# Altium PCB Monitor_Board.PcbDoc (part 2 of 5)
Units mm, origin at the board's own origin, x right, y up, seen from the top; angles counter-clockwise.
Board outline 99.59 x 64.16 mm, 4 copper layers (Top Layer, GND02, PWR03, Bottom Layer), stack 0.603 mm thick; 84 components, 146 nets, 502 pads, 244 vias.
Unrouted connection lines stored in the file: 39.
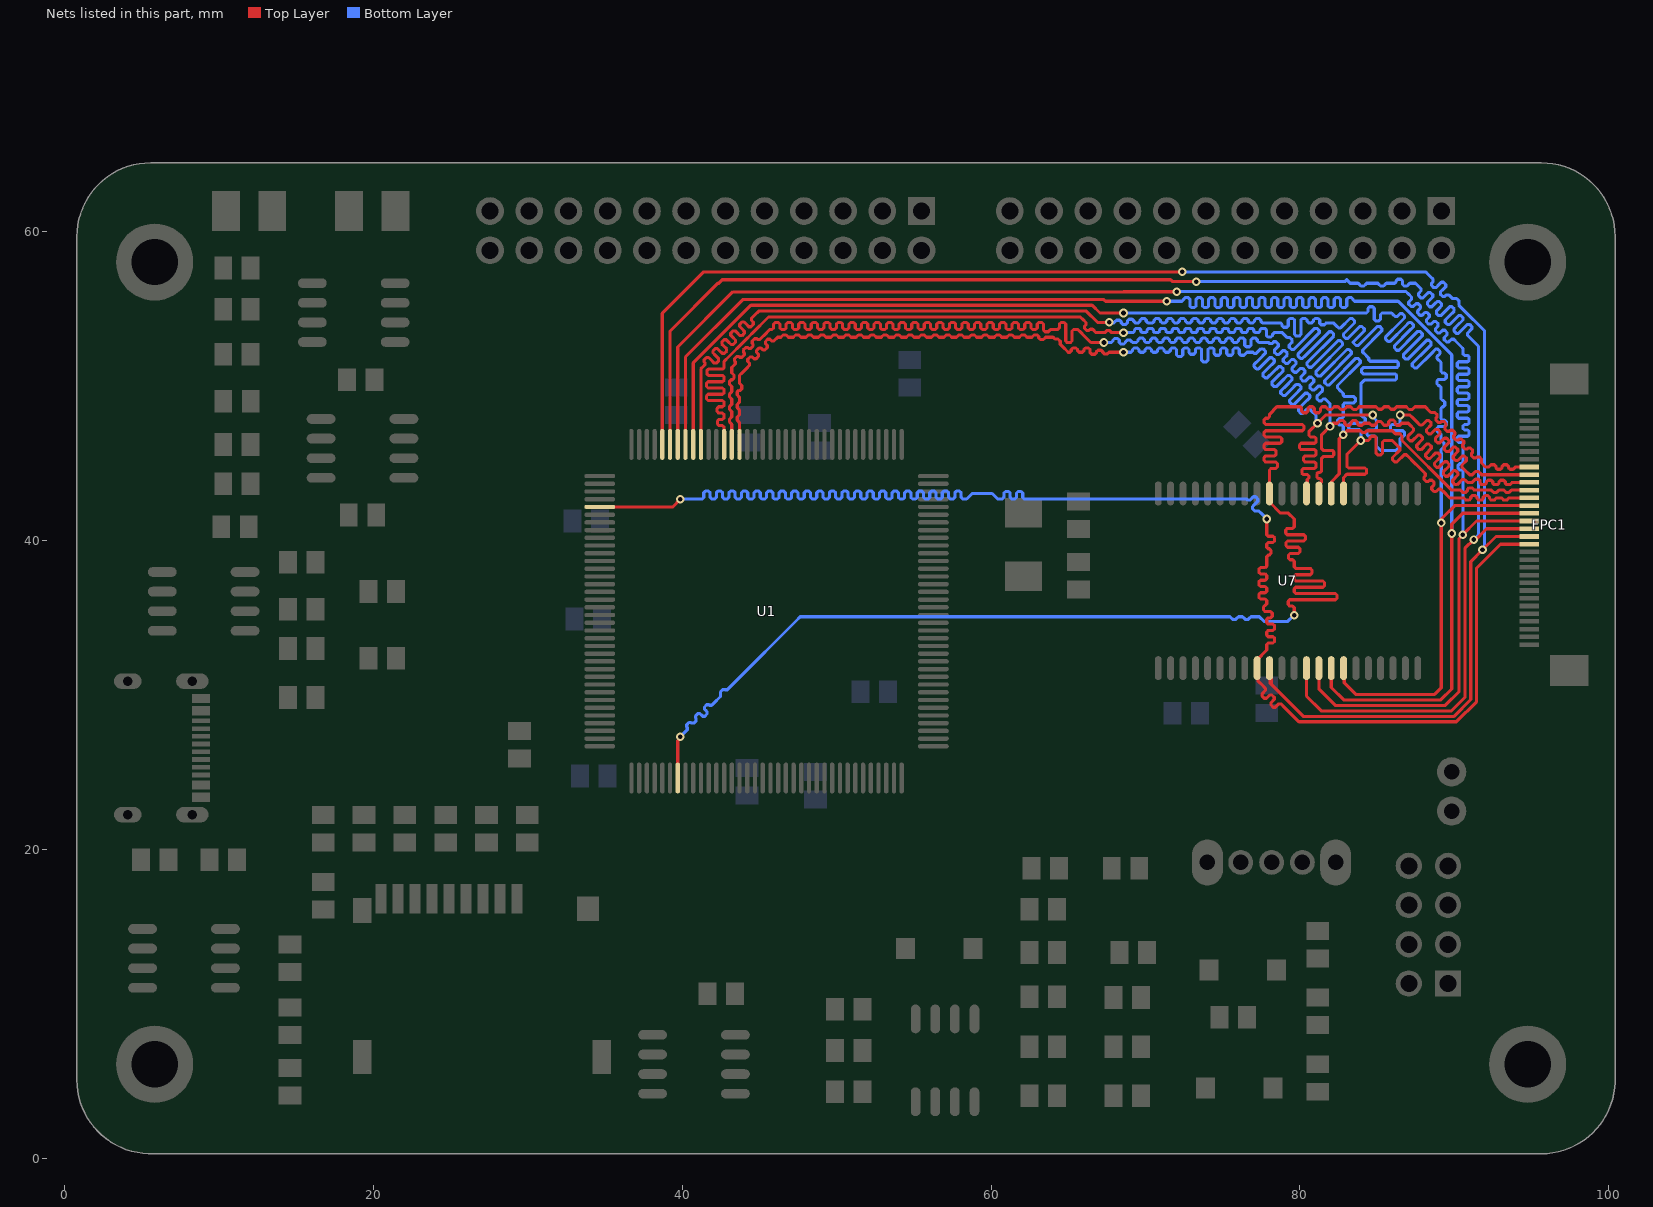
[diagram p4: the nets of this part, all layers, seen from the top]

## Via types
v1: diameter 0.559, hole 0.305, Top Layer to Bottom Layer, tented both sides, 240 vias
v2: diameter 1.143, hole 0.635, Top Layer to Bottom Layer, tented both sides, 2 vias
v3: diameter 1.143, hole 0.61, Top Layer to Bottom Layer, tented both sides, 1 vias
v4: diameter 0.559/0.559 (per signal layer), hole 0.305, Top Layer to Bottom Layer, tented both sides, 1 vias

## Nets (pads, with @x,y where several pads share a name; then routed paths per layer and width w, separated by ;. In a path a pad name is that pad's centre, name@x,y a point inside that pad or via, vN(x,y) a via of type N, cw(c..) or ccw(c..) an arc to the next point about the centre after c; other vN are vias at no path point) (continued)
FPC_LCD_D3: FPC1.24 U1.115 U7.35 | length 110.5
  Top Layer w0.203: U1.115@39.716,24.633 39.716,27.047 39.878,27.209 v1(39.878,27.305) ; v1(79.629,35.179) 79.629,35.56 79.629,35.662 79.527,35.763 79.346,35.763 79.244,35.865 79.244,36.068 79.346,36.17 79.629,36.17 82.301,36.17 82.403,36.271 82.403,36.474 82.301,36.576 79.731,36.576 79.629,36.678 79.629,36.881 79.731,36.982 81.488,36.982 81.59,37.084 81.59,37.287 81.488,37.389 79.731,37.389 79.629,37.49 79.629,37.694 79.731,37.795 80.676,37.795 80.777,37.897 80.777,38.1 80.676,38.202 79.731,38.202 79.629,38.303 79.629,38.481 79.629,38.659 79.527,38.76 79.362,38.76 79.26,38.862 79.26,39.065 79.362,39.167 79.629,39.167 79.899,39.167 80,39.268 80,39.472 79.899,39.573 79.629,39.573 79.197,39.573 79.096,39.675 79.096,39.878 79.197,39.98 79.629,39.98 80.252,39.98 80.353,40.081 80.353,40.284 80.252,40.386 79.629,40.386 79.182,40.386 79.081,40.488 79.081,40.691 79.182,40.792 79.527,40.792 79.629,40.894 79.629,41.199 79.629,41.402 79.245,41.786 78.743,41.786 78.028,42.502 U7.35@78.028,43.053 78.028,44.069 78.028,44.272 78.028,44.577 78.13,44.679 78.45,44.679 78.551,44.78 78.551,44.983 78.45,45.085 78.028,45.085 77.782,45.085 77.68,45.187 77.68,45.39 77.782,45.491 78.028,45.491 78.361,45.491 78.463,45.593 78.463,45.796 78.361,45.898 78.028,45.898 77.782,45.898 77.68,45.999 77.68,46.203 77.782,46.304 78.028,46.304 78.719,46.304 78.821,46.406 78.821,46.609 78.719,46.711 78.028,46.711 77.782,46.711 77.68,46.812 77.68,47.015 77.782,47.117 78.028,47.117 80.158,47.117 80.26,47.219 80.26,47.422 80.158,47.523 78.028,47.523 77.782,47.523 77.68,47.625 77.68,47.828 77.782,47.93 77.926,47.93 78.028,48.031 78.028,48.183 78.041,48.197 78.511,48.666 79.502,48.666 79.705,48.666 80.01,48.666 80.112,48.565 80.112,48.387 80.213,48.285 80.416,48.285 80.518,48.387 80.518,48.565 80.62,48.666 80.823,48.666 80.924,48.565 80.924,48.387 81.026,48.285 81.229,48.285 81.331,48.387 81.331,48.565 81.432,48.666 81.661,48.666 81.737,48.59 81.839,48.489 82.042,48.489 82.144,48.59 82.22,48.666 82.474,48.666 82.55,48.59 82.652,48.489 82.855,48.489 82.956,48.59 83.033,48.666 83.287,48.666 83.363,48.59 83.464,48.489 83.668,48.489 83.769,48.59 83.845,48.666 84.176,48.666 84.582,48.666 84.93,48.666 84.988,48.608 85.09,48.506 85.293,48.506 85.395,48.608 85.453,48.666 85.743,48.666 85.801,48.608 85.903,48.506 86.106,48.506 86.208,48.608 86.266,48.666 86.36,48.666 86.563,48.666 86.893,48.666 86.97,48.59 87.071,48.489 87.274,48.489 87.376,48.59 87.452,48.666 87.782,48.666 88.113,48.666 88.138,48.641 88.392,48.387 88.478,48.301 88.593,48.301 88.737,48.301 88.881,48.157 88.881,48.014 88.823,47.956 88.811,47.944 88.811,47.801 88.955,47.657 89.099,47.657 89.11,47.669 89.168,47.726 89.312,47.726 89.456,47.583 89.456,47.439 89.398,47.381 89.386,47.37 89.386,47.226 89.53,47.082 89.674,47.082 89.685,47.094 89.743,47.152 89.887,47.152 90.03,47.008 90.03,46.864 89.973,46.806 89.961,46.795 89.961,46.651 90.105,46.508 90.248,46.508 90.26,46.519 90.318,46.577 90.461,46.577 90.605,46.433 90.605,46.289 90.547,46.232 90.536,46.22 90.536,46.076 90.679,45.933 90.823,45.933 90.835,45.944 90.892,46.002 91.036,46.002 91.18,45.858 91.18,45.715 91.122,45.657 91.11,45.645 91.11,45.502 91.254,45.358 91.398,45.358 91.409,45.37 91.467,45.427 91.611,45.427 91.754,45.284 91.754,45.14 91.754,45.025 91.984,44.795 92.008,44.771 92.075,44.771 92.235,44.771 92.278,44.814 92.38,44.916 92.583,44.916 92.685,44.814 92.685,44.771 92.685,44.728 92.786,44.627 92.989,44.627 93.091,44.728 93.091,44.771 93.091,44.814 93.193,44.916 93.396,44.916 93.497,44.814 93.497,44.771 93.497,44.728 93.599,44.627 93.802,44.627 93.904,44.728 93.947,44.771 94.026,44.771 FPC1.24@94.851,44.771
  Bottom Layer w0.203: v1(39.878,27.305) 40.259,27.686 40.331,27.758 40.331,27.902 40.295,27.937 40.295,28.081 40.439,28.225 40.582,28.225 40.618,28.189 40.762,28.189 40.906,28.333 40.906,28.476 40.87,28.512 40.87,28.656 41.013,28.8 41.157,28.8 41.265,28.692 41.323,28.634 41.466,28.634 41.61,28.778 41.61,28.921 41.552,28.979 41.444,29.087 41.444,29.231 41.588,29.374 41.732,29.374 41.768,29.338 41.911,29.338 42.1,29.527 42.418,29.845 42.49,29.917 42.49,30.061 42.483,30.067 42.483,30.211 42.627,30.355 42.77,30.355 42.777,30.348 42.921,30.348 43.18,30.607 43.434,30.861 47.371,34.798 47.65,35.077 74.93,35.077 75.133,35.077 75.463,35.077 75.54,35.001 75.641,34.9 75.844,34.9 75.946,35.001 76.022,35.077 76.276,35.077 76.352,35.001 76.454,34.9 76.657,34.9 76.759,35.001 76.835,35.077 77.165,35.077 77.368,35.077 77.673,34.773 79.223,34.773 v1(79.629,35.179)
FPC_LCD_D4: FPC1.23 U1.58 U7.32 | length 107.5
  Top Layer w0.203: U1.58@43.716,46.233 43.716,47.498 43.716,47.658 43.673,47.701 43.572,47.803 43.572,48.006 43.673,48.108 43.716,48.15 43.716,48.471 43.673,48.514 43.572,48.616 43.572,48.819 43.673,48.92 43.716,48.963 43.716,49.284 43.673,49.327 43.572,49.428 43.572,49.632 43.673,49.733 43.716,49.733 43.759,49.733 43.861,49.835 43.861,50.038 43.759,50.14 43.716,50.183 43.716,50.419 43.716,50.701 43.86,50.845 44.147,51.132 44.363,51.348 44.363,51.491 44.25,51.604 44.25,51.748 44.393,51.891 44.537,51.891 44.65,51.779 44.794,51.779 44.937,51.922 44.937,52.066 44.824,52.179 44.824,52.323 44.968,52.466 45.112,52.466 45.225,52.353 45.368,52.353 45.512,52.497 45.512,52.641 45.399,52.754 45.399,52.897 45.543,53.041 45.686,53.041 45.799,52.928 45.943,52.928 46.159,53.144 46.188,53.173 46.228,53.173 46.388,53.173 46.431,53.216 46.533,53.317 46.736,53.317 46.838,53.216 46.88,53.173 47.201,53.173 47.244,53.216 47.346,53.317 47.549,53.317 47.65,53.216 47.693,53.173 48.014,53.173 48.057,53.216 48.158,53.317 48.362,53.317 48.463,53.216 48.506,53.173 48.827,53.173 48.87,53.216 48.971,53.317 49.174,53.317 49.276,53.216 49.319,53.173 49.64,53.173 49.682,53.216 49.784,53.317 49.987,53.317 50.089,53.216 50.132,53.173 50.452,53.173 50.495,53.216 50.597,53.317 50.8,53.317 50.902,53.216 50.944,53.173 51.265,53.173 51.308,53.216 51.41,53.317 51.613,53.317 51.714,53.216 51.757,53.173 52.078,53.173 52.121,53.216 52.222,53.317 52.426,53.317 52.527,53.216 52.57,53.173 52.891,53.173 52.934,53.216 53.035,53.317 53.238,53.317 53.34,53.216 53.383,53.173 53.704,53.173 53.746,53.216 53.848,53.317 54.051,53.317 54.153,53.216 54.196,53.173 54.516,53.173 54.559,53.216 54.661,53.317 54.864,53.317 54.966,53.216 55.008,53.173 55.329,53.173 55.372,53.216 55.474,53.317 55.677,53.317 55.778,53.216 55.821,53.173 56.142,53.173 56.185,53.216 56.286,53.317 56.49,53.317 56.591,53.216 56.634,53.173 56.955,53.173 56.998,53.216 57.099,53.317 57.302,53.317 57.404,53.216 57.447,53.173 57.768,53.173 57.81,53.216 57.912,53.317 58.115,53.317 58.217,53.216 58.26,53.173 58.58,53.173 58.623,53.216 58.725,53.317 58.928,53.317 59.03,53.216 59.072,53.173 59.393,53.173 59.436,53.216 59.538,53.317 59.741,53.317 59.842,53.216 59.885,53.173 60.206,53.173 60.249,53.216 60.35,53.317 60.554,53.317 60.655,53.216 60.698,53.173 61.019,53.173 61.062,53.216 61.163,53.317 61.366,53.317 61.468,53.216 61.511,53.173 61.832,53.173 61.874,53.216 61.976,53.317 62.179,53.317 62.281,53.216 62.324,53.173 62.644,53.173 62.687,53.216 62.789,53.317 62.992,53.317 63.094,53.216 63.094,53.173 63.094,53.13 63.195,53.029 63.398,53.029 63.5,53.13 63.543,53.173 63.881,53.173 64.018,53.173 64.132,53.06 64.192,53.06 64.336,53.06 64.48,52.916 64.48,52.772 64.48,52.712 64.737,52.455 64.882,52.309 64.995,52.197 65.096,52.197 65.198,52.299 65.198,52.375 65.299,52.476 65.503,52.476 65.604,52.375 65.604,52.299 65.706,52.197 65.909,52.197 66.011,52.299 66.011,52.375 66.112,52.476 66.315,52.476 66.417,52.375 66.417,52.197 66.417,52.17 66.519,52.069 66.722,52.069 66.823,52.17 66.823,52.197 66.823,52.229 66.925,52.331 67.128,52.331 67.23,52.229 67.23,52.197 67.331,52.095 67.535,52.095 67.636,52.197 68.043,52.197 68.064,52.197 v1(68.58,52.197) ; U7.32@80.428,43.053 80.475,43.1 80.475,43.953 80.591,44.069 80.591,44.171 80.489,44.272 80.231,44.272 80.13,44.374 80.13,44.577 80.231,44.679 80.591,44.679 80.95,44.679 81.051,44.78 81.051,44.983 80.95,45.085 80.591,45.085 80.339,45.085 80.238,45.187 80.238,45.39 80.339,45.491 80.591,45.491 80.95,45.491 81.051,45.593 81.051,45.796 80.95,45.898 80.591,45.898 80.071,45.898 79.969,45.999 79.969,46.203 80.071,46.304 80.591,46.304 80.95,46.304 81.051,46.406 81.051,46.609 80.95,46.711 80.692,46.711 80.591,46.812 80.591,46.871 80.591,47.088 80.616,47.088 v1(81.138,47.61) 81.661,48.133 v1(84.709,48.133) ; v1(86.487,48.133) 86.995,48.133 87.122,48.133 87.266,47.989 87.553,47.702 87.769,47.486 87.912,47.486 88.208,47.782 88.351,47.782 88.495,47.638 88.495,47.495 88.2,47.199 88.2,47.055 88.343,46.912 88.487,46.912 88.783,47.207 88.926,47.207 89.07,47.064 89.07,46.92 88.774,46.624 88.774,46.481 88.918,46.337 89.062,46.337 89.357,46.632 89.501,46.632 89.645,46.489 89.645,46.345 89.349,46.05 89.349,45.906 89.493,45.762 89.636,45.762 89.932,46.058 90.076,46.058 90.219,45.914 90.219,45.77 89.924,45.475 89.924,45.331 90.068,45.187 90.211,45.187 90.507,45.483 90.65,45.483 90.794,45.339 90.794,45.196 90.499,44.9 90.499,44.756 90.714,44.541 90.932,44.323 90.984,44.271 91.059,44.271 91.161,44.271 91.262,44.373 91.364,44.474 91.567,44.474 91.669,44.373 91.77,44.271 92.075,44.271 FPC1.23@94.851,44.271
  Bottom Layer w0.203: v1(68.58,52.197) 68.961,52.197 69.063,52.197 69.164,52.299 69.164,52.375 69.266,52.476 69.469,52.476 69.571,52.375 69.571,52.299 69.672,52.197 69.875,52.197 69.977,52.299 69.977,52.375 70.079,52.476 70.282,52.476 70.383,52.375 70.383,52.299 70.485,52.197 70.688,52.197 70.79,52.299 70.79,52.375 70.891,52.476 71.095,52.476 71.196,52.375 71.196,52.299 71.298,52.197 71.501,52.197 71.603,52.299 71.603,52.375 71.704,52.476 71.907,52.476 72.009,52.375 72.009,52.197 72.009,52.024 72.111,51.922 72.314,51.922 72.415,52.024 72.415,52.197 72.415,52.375 72.517,52.476 72.72,52.476 72.822,52.375 72.822,52.197 72.822,52.175 72.923,52.073 73.127,52.073 73.228,52.175 73.228,52.197 73.228,52.375 73.33,52.476 73.533,52.476 73.635,52.375 73.635,52.197 73.635,51.677 73.736,51.576 73.939,51.576 74.041,51.677 74.041,52.197 74.041,52.375 74.143,52.476 74.346,52.476 74.447,52.375 74.447,52.197 74.447,52.107 74.549,52.005 74.752,52.005 74.854,52.107 74.854,52.197 74.854,52.375 74.955,52.476 75.159,52.476 75.26,52.375 75.26,52.197 75.26,52.107 75.362,52.005 75.565,52.005 75.667,52.107 75.667,52.197 75.667,52.375 75.768,52.476 75.971,52.476 76.073,52.375 76.073,52.197 76.073,52.107 76.175,52.005 76.378,52.005 76.479,52.107 76.569,52.197 76.835,52.197 76.962,52.197 77.034,52.125 77.178,52.125 77.473,52.421 77.617,52.421 77.76,52.277 77.76,52.133 77.393,51.766 77.038,51.411 77.038,51.267 77.182,51.124 77.326,51.124 77.68,51.479 78.048,51.846 78.191,51.846 78.335,51.702 78.335,51.559 77.968,51.191 77.6,50.824 77.6,50.68 77.744,50.536 77.888,50.536 78.255,50.904 78.623,51.271 78.766,51.271 78.91,51.128 78.91,50.984 78.543,50.616 78.187,50.261 78.187,50.117 78.331,49.974 78.474,49.974 78.83,50.329 79.197,50.696 79.341,50.696 79.485,50.553 79.485,50.409 79.117,50.042 78.762,49.686 78.762,49.543 78.905,49.399 79.049,49.399 79.405,49.754 79.772,50.122 79.916,50.122 80.059,49.978 80.059,49.834 79.692,49.467 79.336,49.111 79.336,48.968 79.48,48.824 79.624,48.824 79.979,49.18 80.347,49.547 80.49,49.547 80.634,49.403 80.634,49.26 80.267,48.892 79.911,48.537 79.911,48.393 80.055,48.249 80.199,48.249 80.482,48.533 80.626,48.533 80.772,48.387 81.042,48.117 81.042,47.61 v1(81.138,47.61) ; v1(84.709,48.133) 84.709,48.037 84.963,47.783 84.963,47.58 84.963,47.275 84.861,47.173 84.443,47.173 84.342,47.072 84.342,46.868 84.443,46.767 84.861,46.767 84.963,46.665 84.963,46.36 84.963,46.228 84.963,46.101 85.217,45.847 86.233,45.847 86.487,46.101 86.487,46.304 86.487,46.609 86.589,46.711 86.665,46.711 86.766,46.812 86.766,47.015 86.665,47.117 86.487,47.117 85.967,47.117 85.866,47.219 85.866,47.422 85.967,47.523 86.385,47.523 86.487,47.625 86.487,47.879 v1(86.487,48.133)
FPC_LCD_D5: FPC1.22 U1.59 U7.31 | length 107.5
  Top Layer w0.203: U1.59@43.216,46.233 43.216,47.371 43.216,47.531 43.173,47.574 43.072,47.676 43.072,47.879 43.173,47.981 43.216,48.024 43.216,48.344 43.173,48.387 43.072,48.489 43.072,48.692 43.173,48.793 43.216,48.836 43.216,49.157 43.173,49.2 43.072,49.301 43.072,49.505 43.173,49.606 43.216,49.649 43.216,49.97 43.173,50.013 43.072,50.114 43.072,50.317 43.173,50.419 43.216,50.419 43.259,50.419 43.36,50.521 43.36,50.724 43.259,50.825 43.216,50.868 43.216,51.217 43.307,51.308 43.37,51.371 43.442,51.443 43.442,51.587 43.393,51.636 43.393,51.78 43.537,51.924 43.68,51.924 43.73,51.874 43.873,51.874 44.017,52.018 44.017,52.162 43.968,52.211 43.968,52.355 44.111,52.499 44.255,52.499 44.304,52.449 44.448,52.449 44.592,52.593 44.592,52.736 44.542,52.786 44.542,52.93 44.686,53.073 44.83,53.073 44.879,53.024 45.023,53.024 45.238,53.239 45.276,53.276 45.672,53.673 45.72,53.673 45.822,53.673 45.923,53.775 45.923,54.026 46.025,54.127 46.228,54.127 46.33,54.026 46.33,53.775 46.431,53.673 46.634,53.673 46.736,53.775 46.736,54.026 46.838,54.127 47.041,54.127 47.142,54.026 47.142,53.775 47.244,53.673 47.447,53.673 47.549,53.775 47.549,54.026 47.65,54.127 47.854,54.127 47.955,54.026 47.955,53.775 48.057,53.673 48.26,53.673 48.362,53.775 48.362,54.026 48.463,54.127 48.666,54.127 48.768,54.026 48.768,53.775 48.87,53.673 49.073,53.673 49.174,53.775 49.174,54.026 49.276,54.127 49.479,54.127 49.581,54.026 49.581,53.775 49.682,53.673 49.886,53.673 49.987,53.775 49.987,54.026 50.089,54.127 50.292,54.127 50.394,54.026 50.394,53.775 50.495,53.673 50.698,53.673 50.8,53.775 50.8,54.026 50.902,54.127 51.105,54.127 51.206,54.026 51.206,53.775 51.308,53.673 51.511,53.673 51.613,53.775 51.613,54.026 51.714,54.127 51.918,54.127 52.019,54.026 52.019,53.775 52.121,53.673 52.324,53.673 52.426,53.775 52.426,54.026 52.527,54.127 52.73,54.127 52.832,54.026 52.832,53.775 52.934,53.673 53.137,53.673 53.238,53.775 53.238,54.026 53.34,54.127 53.543,54.127 53.645,54.026 53.645,53.775 53.746,53.673 53.95,53.673 54.051,53.775 54.051,54.026 54.153,54.127 54.356,54.127 54.458,54.026 54.458,53.775 54.559,53.673 54.762,53.673 54.864,53.775 54.864,54.026 54.966,54.127 55.169,54.127 55.27,54.026 55.27,53.775 55.372,53.673 55.575,53.673 55.677,53.775 55.677,54.026 55.778,54.127 55.982,54.127 56.083,54.026 56.083,53.775 56.185,53.673 56.388,53.673 56.49,53.775 56.49,54.026 56.591,54.127 56.794,54.127 56.896,54.026 56.896,53.775 56.998,53.673 57.201,53.673 57.302,53.775 57.302,54.026 57.404,54.127 57.607,54.127 57.709,54.026 57.709,53.775 57.81,53.673 58.014,53.673 58.115,53.775 58.115,54.026 58.217,54.127 58.42,54.127 58.522,54.026 58.522,53.775 58.623,53.673 58.826,53.673 58.928,53.775 58.928,54.026 59.03,54.127 59.233,54.127 59.334,54.026 59.334,53.775 59.436,53.673 59.639,53.673 59.741,53.775 59.741,54.026 59.842,54.127 60.046,54.127 60.147,54.026 60.147,53.775 60.249,53.673 60.452,53.673 60.554,53.775 60.554,54.026 60.655,54.127 60.858,54.127 60.96,54.026 60.96,53.775 61.062,53.673 61.265,53.673 61.366,53.775 61.366,54.026 61.468,54.127 61.671,54.127 61.773,54.026 61.773,53.775 61.874,53.673 62.078,53.673 62.179,53.775 62.179,54.026 62.281,54.127 62.484,54.127 62.586,54.026 62.586,53.775 62.687,53.673 62.89,53.673 62.992,53.775 62.992,54.026 63.094,54.127 63.297,54.127 63.398,54.026 63.398,53.673 63.398,53.63 63.5,53.529 63.703,53.529 63.805,53.63 63.848,53.673 64.008,53.673 64.225,53.673 64.327,53.673 64.429,53.775 64.429,54.026 64.53,54.127 64.733,54.127 64.835,54.026 64.835,53.673 64.835,52.926 64.937,52.825 65.14,52.825 65.241,52.926 65.241,53.571 65.343,53.673 65.627,53.673 65.77,53.529 66.047,53.252 66.468,52.832 v1(67.31,52.832) ; U7.31@81.228,43.053 81.228,43.636 81.407,43.815 81.407,43.917 81.305,44.018 81.199,44.018 81.097,44.12 81.097,44.323 81.199,44.425 81.305,44.425 81.407,44.526 81.407,44.531 81.407,44.831 81.407,45.034 81.407,45.339 81.509,45.441 82.093,45.441 82.194,45.542 82.194,45.745 82.093,45.847 81.509,45.847 81.407,45.949 81.407,46.101 81.407,46.609 81.407,46.855 v1(81.948,47.396) 82.151,47.6 82.296,47.6 82.423,47.6 82.499,47.676 82.601,47.777 82.804,47.777 82.906,47.676 82.906,47.6 82.906,47.574 83.007,47.473 83.21,47.473 83.312,47.574 83.312,47.6 83.312,47.676 83.414,47.777 83.617,47.777 83.718,47.676 83.718,47.6 83.718,47.574 83.82,47.473 84.023,47.473 84.125,47.574 84.15,47.6 84.506,47.6 84.531,47.574 84.633,47.473 84.836,47.473 84.938,47.574 84.938,47.6 84.938,47.613 85.039,47.714 85.242,47.714 85.344,47.613 85.344,47.6 85.344,47.574 85.446,47.473 85.649,47.473 85.75,47.574 85.75,47.6 85.75,47.709 85.852,47.811 86.055,47.811 86.157,47.709 86.157,47.6 86.157,47.574 86.258,47.473 86.462,47.473 86.563,47.574 86.589,47.6 86.868,47.6 86.97,47.6 86.995,47.625 87.139,47.481 87.354,47.266 87.354,47.122 86.987,46.755 86.987,46.612 87.131,46.468 87.275,46.468 87.642,46.835 87.785,46.835 87.929,46.691 87.929,46.547 87.562,46.18 87.562,46.037 87.706,45.893 87.849,45.893 88.216,46.26 88.36,46.26 88.504,46.116 88.504,45.973 88.137,45.606 88.137,45.462 88.28,45.318 88.424,45.318 88.791,45.685 88.935,45.685 89.078,45.542 89.078,45.398 88.712,45.031 88.712,44.887 88.855,44.744 88.999,44.744 89.366,45.111 89.509,45.111 89.653,44.967 89.653,44.823 89.286,44.456 89.286,44.313 89.43,44.169 89.574,44.169 89.941,44.536 90.084,44.536 90.228,44.392 90.228,44.248 89.893,43.914 89.893,43.77 90.037,43.627 90.181,43.627 90.515,43.961 90.659,43.961 90.742,43.878 90.849,43.771 91.059,43.771 91.161,43.771 91.262,43.873 91.262,43.878 91.364,43.979 91.567,43.979 91.669,43.878 91.669,43.771 91.669,43.728 91.77,43.627 91.973,43.627 92.075,43.728 92.075,43.771 92.075,43.814 92.177,43.916 92.38,43.916 92.481,43.814 92.481,43.771 92.481,43.728 92.583,43.627 92.786,43.627 92.888,43.728 92.888,43.771 92.888,43.814 92.989,43.916 93.193,43.916 93.294,43.814 93.294,43.771 93.294,43.728 93.396,43.627 93.599,43.627 93.701,43.728 93.743,43.771 93.98,43.771 FPC1.22@94.851,43.771
  Bottom Layer w0.203: v1(67.31,52.832) 67.691,52.832 67.793,52.832 67.894,52.934 67.894,52.992 67.996,53.094 68.199,53.094 68.301,52.992 68.301,52.832 68.402,52.73 68.605,52.73 68.707,52.832 68.707,52.884 68.809,52.985 69.012,52.985 69.113,52.884 69.165,52.832 69.418,52.832 69.52,52.934 69.52,53.01 69.621,53.111 69.825,53.111 69.926,53.01 69.926,52.934 70.028,52.832 70.231,52.832 70.333,52.934 70.333,53.01 70.434,53.111 70.637,53.111 70.739,53.01 70.739,52.934 70.841,52.832 71.044,52.832 71.145,52.934 71.145,53.01 71.247,53.111 71.45,53.111 71.552,53.01 71.552,52.934 71.653,52.832 71.857,52.832 71.958,52.934 71.958,53.01 72.06,53.111 72.263,53.111 72.365,53.01 72.365,52.934 72.466,52.832 72.669,52.832 72.771,52.934 72.771,53.01 72.873,53.111 73.076,53.111 73.177,53.01 73.177,52.934 73.279,52.832 73.482,52.832 73.584,52.934 73.584,53.01 73.685,53.111 73.889,53.111 73.99,53.01 73.99,52.934 74.092,52.832 74.295,52.832 74.397,52.934 74.397,53.01 74.498,53.111 74.701,53.111 74.803,53.01 74.803,52.934 74.905,52.832 75.108,52.832 75.209,52.934 75.209,53.01 75.311,53.111 75.514,53.111 75.616,53.01 75.616,52.934 75.717,52.832 75.921,52.832 76.022,52.934 76.022,53.01 76.124,53.111 76.327,53.111 76.429,53.01 76.429,52.832 76.429,52.654 76.53,52.553 76.733,52.553 76.835,52.654 76.835,52.832 76.835,53.01 76.937,53.111 77.14,53.111 77.241,53.01 77.241,52.934 77.343,52.832 77.648,52.832 77.851,52.832 77.978,52.832 78.05,52.76 78.194,52.76 78.309,52.876 78.453,52.876 78.597,52.732 78.597,52.589 78.409,52.401 78.346,52.338 78.346,52.194 78.49,52.051 78.633,52.051 78.696,52.114 78.884,52.301 79.028,52.301 79.172,52.158 79.172,52.014 78.984,51.826 78.921,51.763 78.921,51.619 79.064,51.476 79.208,51.476 79.271,51.539 79.459,51.727 79.603,51.727 79.746,51.583 79.746,51.439 79.559,51.251 79.495,51.188 79.495,51.045 79.639,50.901 79.783,50.901 79.846,50.964 80.034,51.152 80.177,51.152 80.321,51.008 80.321,50.865 80.133,50.677 80.07,50.614 80.07,50.47 80.214,50.326 80.358,50.326 80.421,50.389 80.608,50.577 80.752,50.577 80.896,50.433 80.896,50.29 80.708,50.102 80.645,50.039 80.645,49.895 80.789,49.752 80.932,49.752 80.995,49.815 81.183,50.002 81.327,50.002 81.471,49.859 81.471,49.715 81.283,49.527 81.095,49.34 81.095,49.196 81.239,49.052 81.382,49.052 81.498,49.168 81.642,49.168 81.852,48.959 81.948,48.862 v1(81.948,47.396)
FPC_LCD_D6: FPC1.21 U1.60 U7.30 | length 108
  Top Layer w0.203: U1.60@42.716,46.233 42.716,47.244 42.716,47.346 42.614,47.447 42.389,47.447 42.287,47.549 42.287,47.752 42.389,47.854 42.614,47.854 42.716,47.955 42.716,48.158 42.614,48.26 42.366,48.26 42.265,48.362 42.265,48.565 42.366,48.666 42.614,48.666 42.716,48.768 42.716,48.971 42.614,49.073 41.675,49.073 41.573,49.174 41.573,49.378 41.675,49.479 42.614,49.479 42.716,49.581 42.716,49.784 42.614,49.886 41.675,49.886 41.573,49.987 41.573,50.19 41.675,50.292 42.614,50.292 42.716,50.394 42.716,50.597 42.614,50.698 41.702,50.698 41.6,50.8 41.6,51.003 41.702,51.105 42.614,51.105 42.716,51.206 42.716,51.511 42.716,51.562 42.716,51.606 43.037,51.927 43.389,52.279 43.612,52.502 43.82,52.71 43.964,52.854 44.187,53.077 44.395,53.285 44.539,53.429 45.593,54.483 65.786,54.483 65.93,54.339 66.145,54.124 66.145,53.98 66.056,53.891 66.056,53.747 66.199,53.603 66.343,53.603 66.433,53.693 66.576,53.693 66.792,53.477 66.802,53.467 66.929,53.467 67.183,53.467 67.356,53.467 67.386,53.498 67.488,53.599 67.691,53.599 67.793,53.498 67.823,53.467 68.199,53.467 68.326,53.467 v1(68.58,53.467) ; U7.30@82.028,43.053 82.042,43.067 82.042,43.815 82.55,44.323 82.55,45.085 82.55,46.609 v1(82.806,46.865) 83.058,47.117 83.312,47.117 83.515,47.117 83.916,47.117 83.922,47.111 84.023,47.01 84.226,47.01 84.328,47.111 84.334,47.117 84.455,47.117 85.979,47.117 86.106,46.99 86.178,46.918 86.322,46.918 86.465,46.918 86.609,46.774 86.609,46.631 86.609,46.487 86.741,46.355 89.825,43.271 90.028,43.271 90.392,43.271 90.435,43.228 90.536,43.126 90.739,43.126 90.841,43.228 90.841,43.271 90.841,43.314 90.943,43.415 91.146,43.415 91.247,43.314 91.29,43.271 91.654,43.271 91.821,43.271 92.024,43.271 92.388,43.271 92.431,43.228 92.532,43.126 92.735,43.126 92.837,43.228 92.88,43.271 93.2,43.271 93.243,43.228 93.345,43.126 93.548,43.126 93.65,43.228 93.693,43.271 93.853,43.271 FPC1.21@94.851,43.271
  Bottom Layer w0.203: v1(68.58,53.467) 69.088,53.467 69.19,53.467 69.291,53.569 69.291,53.645 69.393,53.746 69.596,53.746 69.698,53.645 69.698,53.569 69.799,53.467 70.002,53.467 70.104,53.569 70.104,53.645 70.206,53.746 70.409,53.746 70.51,53.645 70.51,53.569 70.612,53.467 70.815,53.467 70.917,53.569 70.917,53.645 71.018,53.746 71.222,53.746 71.323,53.645 71.323,53.569 71.425,53.467 71.628,53.467 71.73,53.569 71.73,53.645 71.831,53.746 72.034,53.746 72.136,53.645 72.136,53.569 72.238,53.467 72.441,53.467 72.542,53.569 72.542,53.645 72.644,53.746 72.847,53.746 72.949,53.645 72.949,53.569 73.05,53.467 73.254,53.467 73.355,53.569 73.355,53.645 73.457,53.746 73.66,53.746 73.762,53.645 73.762,53.569 73.863,53.467 74.066,53.467 74.168,53.569 74.168,53.645 74.27,53.746 74.473,53.746 74.574,53.645 74.574,53.569 74.676,53.467 74.879,53.467 74.981,53.569 74.981,53.645 75.082,53.746 75.286,53.746 75.387,53.645 75.387,53.569 75.489,53.467 75.692,53.467 75.794,53.569 75.794,53.645 75.895,53.746 76.098,53.746 76.2,53.645 76.2,53.569 76.302,53.467 76.505,53.467 76.606,53.569 76.606,53.645 76.708,53.746 76.911,53.746 77.013,53.645 77.013,53.569 77.114,53.467 77.318,53.467 77.419,53.569 77.419,53.645 77.521,53.746 77.724,53.746 77.826,53.645 77.826,53.467 77.826,53.289 77.927,53.188 78.13,53.188 78.232,53.289 78.232,53.365 78.334,53.467 78.638,53.467 78.867,53.467 79.057,53.276 79.191,53.143 79.211,53.143 79.355,53.143 79.498,52.999 79.498,52.855 79.489,52.845 79.309,52.666 79.309,52.523 79.453,52.379 79.597,52.379 79.776,52.558 80.964,53.746 81.108,53.746 81.252,53.603 81.252,53.459 80.063,52.271 79.884,52.092 79.884,51.948 80.028,51.804 80.172,51.804 80.351,51.983 81.895,53.528 82.039,53.528 82.183,53.384 82.183,53.241 80.638,51.696 80.459,51.517 80.459,51.373 80.603,51.229 80.746,51.229 80.925,51.409 82.47,52.953 82.614,52.953 82.757,52.81 82.757,52.666 81.213,51.121 81.034,50.942 81.034,50.798 81.177,50.655 81.321,50.655 81.5,50.834 83.045,52.378 83.188,52.378 83.332,52.235 83.332,52.091 81.787,50.547 81.608,50.367 81.608,50.224 81.752,50.08 81.896,50.08 82.075,50.259 83.619,51.804 83.763,51.804 83.907,51.66 83.907,51.516 82.434,50.044 82.434,49.9 82.65,49.684 82.677,49.657 82.806,49.528 82.806,49.427 82.907,49.325 83.49,49.325 83.591,49.223 83.591,49.02 83.49,48.919 82.907,48.919 82.806,48.817 82.806,48.641 82.806,48.513 82.806,48.31 82.806,48.005 82.704,47.904 82.543,47.904 82.442,47.802 82.442,47.599 82.543,47.497 82.704,47.497 82.806,47.396 82.806,47.091 v1(82.806,46.865)
FPC_LCD_D7: FPC1.20 U1.63 U7.29 | length 110.7
  Top Layer w0.203: U1.63@41.216,46.233 41.216,51.122 41.402,51.308 41.474,51.38 41.474,51.524 41.424,51.573 41.424,51.717 41.568,51.86 41.712,51.86 41.833,51.739 42.075,51.497 42.218,51.497 42.362,51.641 42.362,51.785 42.12,52.026 41.999,52.148 41.999,52.291 42.143,52.435 42.287,52.435 42.408,52.314 42.593,52.129 42.736,52.129 42.88,52.273 42.88,52.416 42.695,52.601 42.574,52.722 42.574,52.866 42.718,53.01 42.861,53.01 42.983,52.889 43.167,52.704 43.311,52.704 43.455,52.847 43.455,52.991 43.27,53.176 43.149,53.297 43.149,53.441 43.292,53.585 43.436,53.585 43.557,53.463 43.742,53.279 43.886,53.279 44.029,53.422 44.029,53.566 43.845,53.751 43.723,53.872 43.723,54.016 43.867,54.159 44.011,54.159 44.132,54.038 44.317,53.853 44.46,53.853 44.604,53.997 44.604,54.141 44.491,54.254 44.491,54.397 44.704,54.61 44.958,54.864 66.167,54.864 66.897,54.134 v1(67.659,54.134) ; U7.29@82.828,43.053 82.828,44.086 83.04,44.298 84.216,44.298 84.317,44.399 84.317,44.602 84.216,44.704 83.141,44.704 83.04,44.806 83.04,45.11 83.04,45.466 83.04,45.575 v1(83.947,46.482) 84.328,46.482 84.43,46.482 84.531,46.584 84.531,46.66 84.633,46.761 84.836,46.761 84.938,46.66 84.938,46.482 84.938,45.659 85.039,45.558 85.242,45.558 85.344,45.659 85.344,46.38 85.446,46.482 85.75,46.482 85.979,46.482 86.106,46.355 86.25,46.211 86.465,45.996 86.465,45.852 85.999,45.386 85.999,45.242 86.143,45.098 86.286,45.098 86.753,45.565 86.896,45.565 87.112,45.349 87.312,45.148 87.757,44.704 87.901,44.56 88.116,44.345 88.116,44.201 88.034,44.119 88.034,43.975 88.178,43.832 88.322,43.832 88.404,43.914 88.547,43.914 88.691,43.77 88.691,43.626 88.533,43.469 88.533,43.325 88.677,43.181 88.821,43.181 88.978,43.339 89.122,43.339 89.338,43.123 89.599,42.862 89.69,42.771 90.043,42.771 90.246,42.771 90.61,42.771 90.653,42.728 90.754,42.627 90.957,42.627 91.059,42.728 91.059,42.771 91.059,42.814 91.161,42.915 91.364,42.915 91.465,42.814 91.465,42.771 91.465,42.728 91.567,42.627 91.77,42.627 91.872,42.728 91.872,42.771 91.872,42.814 91.973,42.915 92.177,42.915 92.278,42.814 92.278,42.771 92.278,42.728 92.38,42.627 92.583,42.627 92.685,42.728 92.727,42.771 93.048,42.771 93.091,42.728 93.193,42.627 93.396,42.627 93.497,42.728 93.54,42.771 93.904,42.771 94.107,42.771 FPC1.20@94.851,42.771
  Bottom Layer w0.203: v1(67.659,54.134) 67.786,54.134 67.818,54.102 67.957,54.102 68.021,54.166 68.123,54.268 68.326,54.268 68.428,54.166 68.428,54.102 68.529,54 68.732,54 68.834,54.102 68.834,54.238 68.936,54.339 69.139,54.339 69.24,54.238 69.24,54.204 69.342,54.102 69.545,54.102 69.647,54.204 69.647,54.272 69.748,54.374 69.952,54.374 70.053,54.272 70.053,54.204 70.155,54.102 70.358,54.102 70.46,54.102 70.561,54.204 70.561,54.28 70.663,54.381 70.866,54.381 70.968,54.28 70.968,54.204 71.069,54.102 71.272,54.102 71.374,54.204 71.374,54.28 71.476,54.381 71.679,54.381 71.78,54.28 71.78,54.204 71.882,54.102 72.085,54.102 72.187,54.204 72.187,54.28 72.288,54.381 72.492,54.381 72.593,54.28 72.593,54.204 72.695,54.102 72.898,54.102 73,54.204 73,54.28 73.101,54.381 73.304,54.381 73.406,54.28 73.406,54.204 73.508,54.102 73.711,54.102 73.812,54.204 73.812,54.28 73.914,54.381 74.117,54.381 74.219,54.28 74.219,54.204 74.32,54.102 74.524,54.102 74.625,54.204 74.625,54.28 74.727,54.381 74.93,54.381 75.032,54.28 75.032,54.204 75.133,54.102 75.336,54.102 75.438,54.204 75.438,54.28 75.54,54.381 75.743,54.381 75.844,54.28 75.844,54.204 75.946,54.102 76.149,54.102 76.251,54.204 76.251,54.28 76.352,54.381 76.556,54.381 76.657,54.28 76.657,54.204 76.759,54.102 76.962,54.102 77.064,54.204 77.064,54.28 77.165,54.381 77.368,54.381 77.47,54.28 77.47,54.204 77.572,54.102 77.876,54.102 78.232,54.102 78.435,54.102 78.74,54.102 78.842,54 78.842,53.916 78.943,53.814 79.146,53.814 79.248,53.916 79.248,54.102 79.248,54.28 79.35,54.381 79.553,54.381 79.654,54.28 79.654,54.102 79.654,53.346 79.756,53.244 79.959,53.244 80.061,53.346 80.061,54.102 80.061,54.28 80.162,54.381 80.366,54.381 80.467,54.28 80.467,54.204 80.569,54.102 80.772,54.102 80.874,54.204 80.874,54.28 80.975,54.381 81.178,54.381 81.28,54.28 81.28,54.102 81.28,54.077 81.382,53.976 81.585,53.976 81.686,54.077 81.711,54.102 82.093,54.102 82.169,54.102 82.359,53.911 82.423,53.848 82.495,53.776 82.639,53.776 83.244,54.381 83.387,54.381 83.531,54.238 83.531,54.094 82.854,53.417 82.825,53.388 82.825,53.244 82.969,53.101 83.113,53.101 83.141,53.13 83.878,53.866 84.021,53.866 84.165,53.722 84.165,53.579 83.439,52.852 83.439,52.832 83.566,52.705 83.638,52.633 83.782,52.633 85.022,53.873 85.166,53.873 85.309,53.73 85.309,53.586 84.069,52.346 84.069,52.202 84.284,51.987 84.328,51.943 84.455,51.816 84.455,51.714 84.557,51.613 86.266,51.613 86.368,51.511 86.368,51.308 86.266,51.206 84.455,51.206 84.1,51.206 83.998,51.105 83.998,50.902 84.1,50.8 84.455,50.8 86.158,50.8 86.259,50.698 86.259,50.495 86.158,50.394 84.557,50.394 84.176,50.394 83.947,50.165 83.947,49.371 83.947,48.873 83.947,48.641 83.947,48.108 84.049,48.006 84.126,48.006 84.227,47.904 84.227,47.701 84.126,47.6 83.947,47.6 83.268,47.6 83.166,47.498 83.166,47.295 83.268,47.193 83.845,47.193 83.947,47.092 83.947,46.99 v1(83.947,46.482)
FPC_LCD_D8: FPC1.19 U1.64 U7.16 | length 110.6
  Top Layer w0.203: U1.64@40.716,46.233 40.716,51.511 44.45,55.245 66.548,55.245 67.056,54.737 v1(68.58,54.737) ; U7.16@82.828,31.742 82.875,31.695 82.875,30.79 83.617,30.048 88.722,30.048 89.154,30.48 v1(89.154,41.148) 89.154,41.402 90.023,42.271 FPC1.19@94.851,42.271
  Bottom Layer w0.203: v1(68.58,54.737) 84.201,54.737 84.303,54.737 84.404,54.839 84.404,55.042 84.506,55.143 84.709,55.143 84.811,55.042 84.811,54.737 84.811,54.331 84.912,54.229 85.115,54.229 85.217,54.331 85.217,54.635 85.319,54.737 85.623,54.737 85.725,54.737 85.936,54.737 86.085,54.589 86.156,54.517 86.3,54.517 86.483,54.7 86.627,54.7 86.771,54.556 86.771,54.413 86.516,54.157 85.552,53.194 85.552,53.05 85.696,52.907 85.84,52.907 86.803,53.87 87.058,54.125 87.202,54.125 87.346,53.982 87.346,53.838 87.09,53.583 86.127,52.619 86.127,52.476 86.271,52.332 86.414,52.332 87.378,53.295 87.633,53.551 87.777,53.551 87.92,53.407 87.92,53.263 87.665,53.008 86.702,52.045 86.702,51.901 86.845,51.757 86.989,51.757 87.952,52.721 88.208,52.976 88.351,52.976 88.495,52.832 88.495,52.688 88.24,52.433 87.276,51.47 87.276,51.326 87.42,51.183 87.564,51.183 88.527,52.146 88.782,52.401 88.926,52.401 89.07,52.257 89.07,52.114 88.886,51.93 88.886,51.787 89.133,51.541 89.133,51.054 89.133,50.952 89.234,50.851 89.373,50.851 89.474,50.749 89.474,50.546 89.373,50.444 89.133,50.444 88.976,50.444 88.875,50.343 88.875,50.14 88.976,50.038 89.031,50.038 89.133,49.936 89.133,49.276 89.133,49.174 89.234,49.073 89.28,49.073 89.381,48.971 89.381,48.768 89.28,48.666 89.234,48.666 89.133,48.565 89.133,48.006 89.133,47.904 89.234,47.803 89.373,47.803 89.474,47.701 89.474,47.498 89.373,47.396 89.133,47.396 88.976,47.396 88.875,47.295 88.875,47.092 88.976,46.99 89.031,46.99 89.133,46.888 89.133,46.848 89.133,46.609 89.133,46.507 89.234,46.406 89.336,46.304 89.336,46.101 89.234,45.999 89.133,45.898 89.133,45.847 89.133,45.691 89.154,45.669 v1(89.154,41.148)
FPC_LCD_D9: FPC1.18 U1.65 U7.15 | length 109.5
  Top Layer w0.203: U1.65@40.216,46.233 40.216,51.9 43.926,55.61 67.31,55.61 67.421,55.499 v1(71.374,55.499) ; U7.15@82.028,31.742 82.028,30.494 82.829,29.693 89.129,29.693 89.83,30.394 v1(89.83,40.462) 89.83,41.062 90.539,41.771 FPC1.18@94.851,41.771
  Bottom Layer w0.203: v1(71.374,55.499) 72.263,55.499 72.365,55.499 72.466,55.601 72.466,55.638 72.568,55.739 72.771,55.739 72.873,55.638 72.873,55.499 72.873,55.194 72.974,55.093 73.177,55.093 73.279,55.194 73.279,55.499 73.279,55.638 73.381,55.739 73.584,55.739 73.685,55.638 73.685,55.499 73.685,55.194 73.787,55.093 73.99,55.093 74.092,55.194 74.092,55.499 74.092,55.638 74.193,55.739 74.397,55.739 74.498,55.638 74.498,55.499 74.498,55.194 74.6,55.093 74.803,55.093 74.905,55.194 74.905,55.499 74.905,55.638 75.006,55.739 75.209,55.739 75.311,55.638 75.311,55.499 75.311,55.194 75.413,55.093 75.616,55.093 75.717,55.194 75.717,55.499 75.717,55.638 75.819,55.739 76.022,55.739 76.124,55.638 76.124,55.499 76.124,55.194 76.225,55.093 76.429,55.093 76.53,55.194 76.53,55.499 76.53,55.638 76.632,55.739 76.835,55.739 76.937,55.638 76.937,55.499 76.937,55.194 77.038,55.093 77.241,55.093 77.343,55.194 77.343,55.499 77.343,55.638 77.445,55.739 77.648,55.739 77.749,55.638 77.749,55.499 77.749,55.194 77.851,55.093 78.054,55.093 78.156,55.194 78.156,55.499 78.156,55.638 78.257,55.739 78.461,55.739 78.562,55.638 78.562,55.499 78.562,55.194 78.664,55.093 78.867,55.093 78.969,55.194 78.969,55.499 78.969,55.638 79.07,55.739 79.273,55.739 79.375,55.638 79.375,55.499 79.375,55.194 79.477,55.093 79.68,55.093 79.781,55.194 79.781,55.499 79.781,55.638 79.883,55.739 80.086,55.739 80.188,55.638 80.188,55.499 80.188,55.194 80.289,55.093 80.493,55.093 80.594,55.194 80.594,55.499 80.594,55.638 80.696,55.739 80.899,55.739 81.001,55.638 81.001,55.499 81.001,55.194 81.102,55.093 81.305,55.093 81.407,55.194 81.407,55.499 81.407,55.638 81.509,55.739 81.712,55.739 81.813,55.638 81.813,55.499 81.813,55.194 81.915,55.093 82.118,55.093 82.22,55.194 82.22,55.499 82.22,55.638 82.321,55.739 82.525,55.739 82.626,55.638 82.626,55.499 82.626,55.194 82.728,55.093 82.931,55.093 83.033,55.194 83.033,55.499 83.033,55.638 83.134,55.739 83.337,55.739 83.439,55.638 83.439,55.601 83.541,55.499 83.566,55.499 86.36,55.499 89.83,52.029 89.83,43.18 89.83,41.275 v1(89.83,40.462)
FPC_LCD_D10: FPC1.17 U1.66 U7.14 | length 110.6
  Top Layer w0.203: U1.66@39.716,46.233 39.716,52.543 43.283,56.11 68.556,56.11 68.58,56.134 68.594,56.12 v1(72.034,56.12) ; U7.14@81.228,31.742 81.228,30.4 82.291,29.337 89.413,29.337 90.297,30.221 90.297,40.132 v1(90.551,40.386) ; v1@90.678,40.259 v1(90.551,40.386) ; FPC1.17@94.851,41.271 91.436,41.271 v1(90.551,40.386)
  Bottom Layer w0.203: v1(72.034,56.12) 72.048,56.134 86.868,56.134 87.012,55.99 87.227,55.775 87.227,55.631 87.051,55.455 87.051,55.311 87.195,55.167 87.338,55.167 87.515,55.344 87.658,55.344 87.802,55.2 87.802,55.056 87.626,54.88 87.626,54.736 87.769,54.593 87.913,54.593 88.089,54.769 88.233,54.769 88.377,54.625 88.377,54.482 88.2,54.305 88.2,54.162 88.344,54.018 88.488,54.018 88.664,54.194 88.808,54.194 88.951,54.051 88.951,53.907 88.775,53.731 88.775,53.587 88.919,53.443 89.062,53.443 89.239,53.62 89.382,53.62 89.526,53.476 89.526,53.332 89.35,53.156 89.35,53.012 89.493,52.868 89.637,52.868 89.814,53.045 89.957,53.045 90.173,52.829 90.46,52.542 90.551,52.451 90.551,52.197 90.551,52.095 90.653,51.994 90.856,51.994 90.957,51.892 90.957,51.689 90.856,51.587 90.551,51.587 90.287,51.587 90.185,51.486 90.185,51.283 90.287,51.181 90.551,51.181 90.856,51.181 90.957,51.079 90.957,50.876 90.856,50.775 90.551,50.775 90.287,50.775 90.185,50.673 90.185,50.47 90.287,50.368 90.551,50.368 90.856,50.368 90.957,50.267 90.957,50.063 90.856,49.962 90.551,49.962 90.287,49.962 90.185,49.86 90.185,49.657 90.287,49.555 90.551,49.555 90.856,49.555 90.957,49.454 90.957,49.251 90.856,49.149 90.551,49.149 90.287,49.149 90.185,49.047 90.185,48.844 90.287,48.743 90.551,48.743 90.856,48.743 90.957,48.641 90.957,48.438 90.856,48.336 90.551,48.336 90.287,48.336 90.185,48.235 90.185,48.031 90.287,47.93 90.551,47.93 90.856,47.93 90.957,47.828 90.957,47.625 90.856,47.523 90.653,47.523 90.551,47.422 90.551,47.371 90.551,47.269 90.653,47.168 90.856,47.168 90.957,47.066 90.957,46.863 90.856,46.761 90.551,46.761 90.287,46.761 90.185,46.66 90.185,46.457 90.287,46.355 90.449,46.355 90.551,46.253 90.551,46.101 90.551,45.593 90.551,45.39 90.551,45.085 90.449,44.983 90.344,44.983 90.243,44.882 90.243,44.679 90.344,44.577 90.551,44.577 v1(90.551,40.386)
FPC_LCD_D11: FPC1.16 U1.67 U7.13 | length 111.2
  Top Layer w0.203: U1.67@39.216,46.233 39.216,53.567 42.316,56.667 42.342,56.642 42.596,56.896 71.628,56.896 71.755,56.769 v1(73.279,56.769) ; U7.13@80.428,31.742 80.428,29.935 81.382,28.981 89.814,28.981 90.678,29.845 90.678,39.497 v1(91.249,40.069) 91.313,40.005 92.079,40.771 FPC1.16@94.851,40.771
  Bottom Layer w0.203: v1(73.279,56.769) 82.906,56.769 83.033,56.896 83.287,56.642 83.312,56.667 83.769,56.667 83.845,56.591 83.947,56.49 84.15,56.49 84.252,56.591 84.328,56.667 84.455,56.667 84.582,56.667 85.039,56.667 85.115,56.591 85.217,56.49 85.42,56.49 85.522,56.591 85.598,56.667 85.725,56.667 85.852,56.667 86.131,56.667 86.233,56.769 86.233,56.82 86.335,56.921 86.538,56.921 86.639,56.82 86.639,56.667 86.639,56.591 86.741,56.49 86.944,56.49 87.046,56.591 87.122,56.667 87.249,56.667 87.478,56.667 87.621,56.524 87.837,56.308 87.837,56.165 87.683,56.011 87.683,55.867 87.827,55.723 87.97,55.723 88.196,55.949 88.309,56.062 88.453,56.062 88.597,55.919 88.597,55.775 88.483,55.662 88.258,55.436 88.258,55.292 88.402,55.149 88.545,55.149 88.771,55.374 88.884,55.488 89.028,55.488 89.172,55.344 89.172,55.2 89.058,55.087 88.833,54.861 88.833,54.718 88.976,54.574 89.12,54.574 89.345,54.8 89.698,55.152 89.842,55.152 89.985,55.008 89.985,54.865 89.633,54.512 89.407,54.287 89.407,54.143 89.551,53.999 89.695,53.999 89.92,54.225 90.273,54.577 90.416,54.577 90.56,54.434 90.56,54.29 90.208,53.937 89.982,53.712 89.982,53.568 90.126,53.424 90.269,53.424 90.495,53.65 90.848,54.003 90.991,54.003 91.135,53.859 91.135,53.715 90.854,53.435 90.854,53.291 91.186,52.959 91.567,52.578 91.567,40.386 v1(91.249,40.069)
FPC_LCD_D12: FPC1.15 U1.68 U7.10 | length 110.2
  Top Layer w0.203: U1.68@38.716,46.233 38.716,54.718 41.402,57.404 v1(72.39,57.404) ; U7.10@78.028,31.742 78.075,31.695 78.075,30.764 78.141,30.698 ; U7.10@78.141,31.75 78.141,30.698 ; FPC1.15@94.851,40.271 92.693,40.271 v1(91.824,39.402) 91.059,38.637 91.059,29.718 89.982,28.641 89.982,28.626 80.213,28.626 78.141,30.698
  Bottom Layer w0.203: v1(72.39,57.404) 88.138,57.404 88.265,57.277 88.409,57.133 88.624,56.918 88.624,56.774 88.523,56.673 88.523,56.529 88.666,56.385 88.81,56.385 88.983,56.559 89.157,56.732 89.3,56.732 89.444,56.588 89.444,56.445 89.271,56.271 89.097,56.098 89.097,55.954 89.241,55.811 89.385,55.811 89.486,55.912 89.63,55.912 89.789,55.753 89.861,55.681 90.005,55.681 90.148,55.681 90.292,55.537 90.292,55.394 90.292,55.25 90.551,54.991 91.948,53.594 91.948,39.526 v1(91.824,39.402)
FPC_LCD_D13: FPC1.14 U1.77 U7.9 | length 109.6
  Top Layer w0.203: U1.77@34.666,42.183 39.389,42.183 v1(39.878,42.672) ; v1(77.851,41.402) 77.851,40.767 77.851,40.691 77.851,40.386 77.953,40.284 78.257,40.284 78.359,40.183 78.359,39.98 78.257,39.878 77.953,39.878 77.851,39.776 77.851,39.573 77.953,39.472 78.015,39.472 78.116,39.37 78.116,39.167 78.015,39.065 77.953,39.065 77.851,38.964 77.851,38.659 77.851,38.354 77.749,38.252 77.445,38.252 77.343,38.151 77.343,37.948 77.445,37.846 77.749,37.846 77.851,37.744 77.851,37.541 77.749,37.44 77.445,37.44 77.343,37.338 77.343,37.135 77.445,37.033 77.749,37.033 77.851,36.932 77.851,36.728 77.749,36.627 77.445,36.627 77.343,36.525 77.343,36.322 77.445,36.22 77.749,36.22 77.851,36.119 77.851,35.916 77.749,35.814 77.744,35.814 77.643,35.712 77.643,35.509 77.744,35.408 77.851,35.408 78.105,35.408 78.207,35.306 78.207,35.103 78.105,35.001 77.953,35.001 77.851,34.9 77.851,34.696 77.953,34.595 78.257,34.595 78.359,34.493 78.359,34.29 78.257,34.188 77.953,34.188 77.851,34.087 77.851,33.884 77.953,33.782 78.257,33.782 78.359,33.68 78.359,33.477 78.257,33.376 77.953,33.376 77.851,33.274 77.851,32.916 77.228,32.293 U7.9@77.228,31.742 77.275,31.695 77.275,30.929 77.406,30.797 77.55,30.654 77.766,30.438 77.766,30.295 77.55,30.079 77.55,29.935 77.694,29.792 77.838,29.792 78.053,30.007 78.197,30.007 78.34,29.864 78.34,29.72 78.125,29.504 78.125,29.361 78.269,29.217 78.412,29.217 78.628,29.433 78.771,29.433 78.987,29.217 79.248,28.956 79.934,28.27 90.129,28.27 91.44,29.581 91.44,38.227 92.984,39.771 FPC1.14@94.851,39.771
  Bottom Layer w0.203: v1(39.878,42.672) 39.903,42.697 40.386,42.697 40.589,42.697 40.996,42.697 41.3,42.697 41.402,42.799 41.402,43.104 41.504,43.205 41.707,43.205 41.808,43.104 41.808,42.799 41.91,42.697 42.113,42.697 42.215,42.799 42.215,43.104 42.316,43.205 42.52,43.205 42.621,43.104 42.621,42.799 42.723,42.697 42.926,42.697 43.028,42.799 43.028,43.104 43.129,43.205 43.332,43.205 43.434,43.104 43.434,42.799 43.536,42.697 43.739,42.697 43.84,42.799 43.84,43.104 43.942,43.205 44.145,43.205 44.247,43.104 44.247,42.799 44.348,42.697 44.552,42.697 44.653,42.799 44.653,43.104 44.755,43.205 44.958,43.205 45.06,43.104 45.06,42.799 45.161,42.697 45.364,42.697 45.466,42.799 45.466,43.104 45.568,43.205 45.771,43.205 45.872,43.104 45.872,42.799 45.974,42.697 46.177,42.697 46.279,42.799 46.279,43.104 46.38,43.205 46.584,43.205 46.685,43.104 46.685,42.799 46.787,42.697 46.99,42.697 47.092,42.799 47.092,43.104 47.193,43.205 47.396,43.205 47.498,43.104 47.498,42.799 47.6,42.697 47.803,42.697 47.904,42.799 47.904,43.104 48.006,43.205 48.209,43.205 48.311,43.104 48.311,42.799 48.412,42.697 48.616,42.697 48.717,42.799 48.717,43.104 48.819,43.205 49.022,43.205 49.124,43.104 49.124,42.799 49.225,42.697 49.428,42.697 49.53,42.799 49.53,43.104 49.632,43.205 49.835,43.205 49.936,43.104 49.936,42.799 50.038,42.697 50.241,42.697 50.343,42.799 50.343,43.104 50.444,43.205 50.648,43.205 50.749,43.104 50.749,42.799 50.851,42.697 51.054,42.697 51.156,42.799 51.156,43.104 51.257,43.205 51.46,43.205 51.562,43.104 51.562,42.799 51.664,42.697 51.867,42.697 51.968,42.799 51.968,43.104 52.07,43.205 52.273,43.205 52.375,43.104 52.375,42.799 52.476,42.697 52.68,42.697 52.781,42.799 52.781,43.104 52.883,43.205 53.086,43.205 53.188,43.104 53.188,42.799 53.289,42.697 53.492,42.697 53.594,42.799 53.594,43.104 53.696,43.205 53.899,43.205 54,43.104 54,42.799 54.102,42.697 54.305,42.697 54.407,42.799 54.407,43.104 54.508,43.205 54.712,43.205 54.813,43.104 54.813,42.799 54.915,42.697 55.118,42.697 55.22,42.799 55.22,43.104 55.321,43.205 55.524,43.205 55.626,43.104 55.626,42.799 55.728,42.697 55.931,42.697 56.032,42.799 56.032,43.104 56.134,43.205 56.337,43.205 56.439,43.104 56.439,42.799 56.54,42.697 56.744,42.697 56.845,42.799 56.845,43.104 56.947,43.205 57.15,43.205 57.252,43.104 57.252,42.799 57.353,42.697 57.556,42.697 57.658,42.799 57.658,43.104 57.76,43.205 57.963,43.205 58.064,43.104 58.064,42.799 58.166,42.697 58.42,42.697 58.776,43.053 60.071,43.053 60.427,42.697 60.731,42.697 60.833,42.799 60.833,43.079 60.935,43.181 61.138,43.181 61.239,43.079 61.239,42.799 61.341,42.697 61.544,42.697 61.646,42.799 61.646,43.079 61.747,43.181 61.951,43.181 62.052,43.079 62.052,42.799 62.154,42.697 62.23,42.697 76.556,42.697 76.627,42.626 76.771,42.626 76.987,42.841 77.13,42.841 77.274,42.697 77.274,42.554 76.987,42.266 76.929,42.209 76.929,42.065 77.073,41.921 77.216,41.921 77.332,41.921 77.486,41.767 v1(77.851,41.402)